# KiCad board A64-OlinuXino_Rev_C.kicad_pcb (continued)
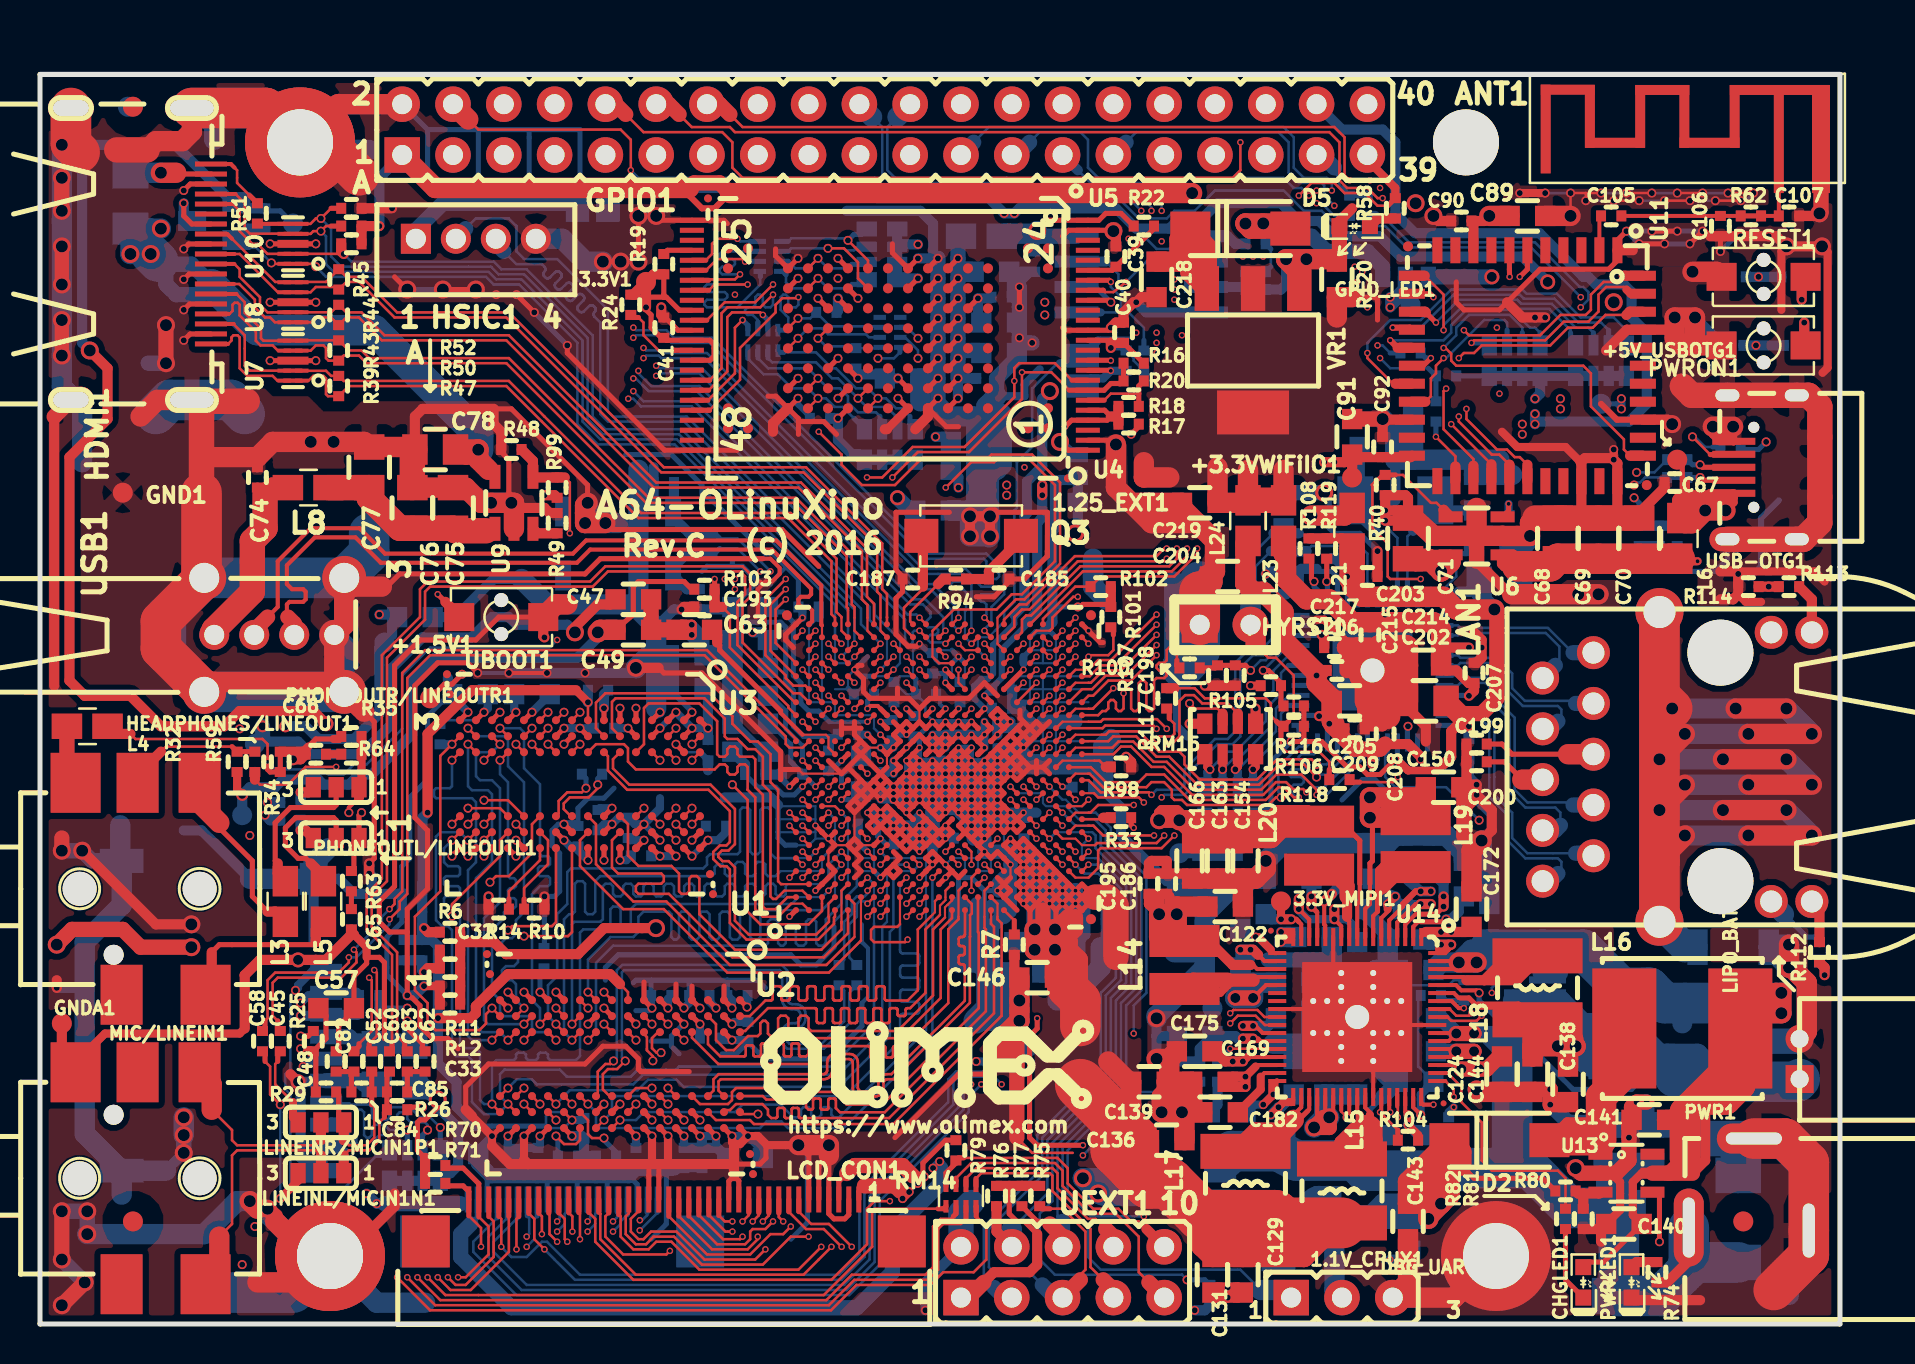
[diagram p0: board, top side]
## Routing (per net, layer and track width the routed paths; a pad name or vN(x,y) marks a point on that pad's centre or on a via; arc(x,y) is an arc through that point) (continued)
  Top w1.016: 60.78,33.96 60.78,34.72 PHYRST1.2
  Bottom w0.127: 62.94,39.55 63.07,39.55 63.45,39.17 65.74,39.17 66.37,38.53 66.37,37.01 ; 60.53,35.86 60.4,35.99 60.4,38.28 61.67,39.55
  Bottom w0.254: U15.42 66.37,37.01
  Bottom w0.508: 62.94,39.55 62.43,39.55 C211.2 61.93,39.8 61.67,39.55
  Bottom w1.016: 60.53,35.74 PHYRST1.2 60.53,35.86 60.53,35.74
Net-(C212-Pad2): length 7.7
  Bottom w0.127: 68.66,39.67 68.37,39.39 68.37,37.13
  Bottom w0.254: 68.37,37.11 68.37,37.13 U15.46
  Bottom w0.508: 68.66,39.67 69.77,40.78 Q4.1 70.27,40.69 71.7,40.69
Net-(C213-Pad2): length 9
  Bottom w0.127: 66.75,39.67 67.51,39.67 67.87,39.31 67.87,37.13
  Bottom w0.254: 67.87,37.16 U15.45
  Bottom w0.508: 66.75,39.67 65.77,40.66 Q4.2 65.99,41.42 C213.2
Net-(C218-Pad1): length 10.3
  Top w1.016: D5.1 57.61,54.7 D5.1 ; D5.1 58.34,53.84 VR1.3 ; D5.1 57.52,52.61 VR1.3 ; D5.1 56.97,54.24 56.97,53.14 C218.1 ; VR1.3 58.34,52.15
Net-(CHGLED1-Pad1): length 3.8
  Top w0.254: CHGLED1.1 76.28,2.21 R82.2
Net-(D2-Pad2): length 12.3
  Top w0.254: 78.05,9.19 78.02,9.19 U13.1
  Top w0.508: 78.05,10.08 76.36,10.08 D2.2
  Top w1.524: L16.2 79.22,12.52 78.05,11.35 78.05,9.19 D2.2
Net-(D4-Pad1): length 2.3
  Bottom w1.016: D4.1 64.72,1.7 DBG_UART1.2
Net-(D4-Pad2): length 47.5
  Top w0.127: U1.Y7 v4(50.47,24.28)
  In3.Cu w0.127: v4(67.51,3.23) 58.37,3.23 v2(57.35,2.21)
  Bottom w0.107: 50.8,24.6 52.62,24.6
  Bottom w0.127: 57.1,2.46 57.1,2.46 ; 57.1,2.46 v2(57.35,2.21) ; 57.1,2.46 50.75,2.46 49.99,3.23 49.99,5.51 50.62,6.15 50.62,9.07 53.8,12.24 53.8,16.18 54.56,16.94 54.56,22.02 52.78,23.8 52.78,24.44 52.62,24.6 ; v4(50.47,24.28) 50.8,24.6
  Bottom w0.254: v2(57.35,2.21) 58.24,2.21 R95.1
  Bottom w0.508: v4(67.51,3.23) 68.28,3.23 D4.2
Net-(DBG_UART1-Pad1): length 41.6
  Top w0.127: v4(48.53,26.88) U1.V10
  Bottom w0.107: 52.43,25.25 51.94,25.25 51.28,25.9 50.3,25.9 50.15,26.05 50.15,26.4 50,26.55 U1.V10
  Bottom w0.127: 52.43,25.25 52.73,25.25 53.29,24.69 53.29,24.05 55.07,22.28 55.07,16.69 54.31,15.93 54.31,11.99 51.13,8.81 51.13,6.15 52.4,4.88 52.4,3.35 53.03,2.72 60.02,2.72 61.04,1.7 ; v4(48.53,26.88) U1.V10
  Bottom w1.016: 61.04,1.7 62.18,1.7 DBG_UART1.1
Net-(FET1-Pad3): length 3.2
  Top w0.254: v2(7.19,56.06) 7.19,55.42 7.59,55.02 HDMI1.13
  Bottom w0.508: v2(7.19,56.06) 7.19,55.59 FET1.3
Net-(FUSE1-Pad2): length 4.1
  Top w0.254: 6.81,57.58 6.87,57.52 HDMI1.18
  Top w1.016: v3(6.05,57.58) 6.81,57.58
  Bottom w1.016: v3(6.05,57.58) 4.52,57.58 FUSE1.2
Net-(GPIO_LED1-Pad2): length 1.4
  Top w0.508: R58.2 66.88,55.3 GPIO_LED1.2
Net-(HDMI1-Pad19): length 3.5
  Top w0.127: 10.49,56.44 9.86,57.07 9.86,57.71 9.73,57.84
  Top w0.203: 9.73,57.84 9.55,58.02 HDMI1.19
  Top w0.254: R51.2 10.49,56.44
Net-(HEADPHONES/LINEOUT1-Pad1): length 9.2
  Top w0.254: 13.79,19.1 13.67,18.97 8.97,18.97 8.58,18.59
  Top w0.508: 13.79,19.23 13.79,19.1 13.79,19.74 L5.2 ; 8.58,18.59 8.58,16.77 HEADPHONES/LINEOUT1.1 ; 8.28,16.21 8.28,16.46
Net-(HEADPHONES/LINEOUT1-Pad2): length 3.5
  Top w0.508: 1.78,26.81 1.78,26.29
  Top w0.762: L4.2 1.35,27.5 HEADPHONES/LINEOUT1.2
Net-(HEADPHONES/LINEOUT1-Pad3): length 8.8
  Top w0.254: 8.97,25.07 8.97,24.82 10.62,23.17 10.62,21.39 11.38,20.62
  Top w0.508: 11.38,20.62 11.76,20.62 L3.2 12.14,20.12 ; 7.98,26.81 7.98,26.06
  Top w1.016: 7.98,26.06 8.97,25.07
Net-(HEADPHONES/LINEOUT1-Pad4): length 7.6
  Top w0.127: 9.6,28.88 6.3,28.88 6.05,28.63
  Top w0.254: 9.6,28.88 R32.1 R59.1
  Top w0.508: 4.88,27.46 6.05,28.63
  Top w0.762: HEADPHONES/LINEOUT1.4 4.88,27.46
  Top w1.016: 4.88,26.81 4.88,27.46
Net-(HSIC1-Pad1): length 9.1
  Bottom w0.762: HSIC_E1.2 26.75,56.06 20.14,56.06 18.79,54.71 HSIC1.1
Net-(HSIC1-Pad2): length 37.5
  Top w0.127: v4(42.68,32.72) U1.H19
  Bottom w0.107: 43,33.05 43,34.11 43,34.22
  Bottom w0.127: 43,34.22 41.73,35.48 41.73,35.99 32.33,45.39 28.65,45.39 28.4,45.64 28.4,50.72 25.86,53.26 24.21,53.26 23.83,53.65 23.83,54.91 23.44,55.3 21.79,55.3 21.28,54.79 ; v4(42.68,32.72) 43,33.05
  Bottom w0.762: 21.28,54.79 20.79,54.3 HSIC1.2
Net-(HSIC1-Pad3): length 37.5
  Top w0.127: v4(42.03,32.72) U1.G19
  Bottom w0.107: 42.35,33.05 42.35,34.34
  Bottom w0.127: 23.19,53.65 23.83,53.01 25.09,53.01 25.22,52.88 25.25,52.85 25.26,52.82 25.27,52.78 25.27,52.74 25.26,52.7 25.25,52.67 25.2,52.6 25.18,52.57 25.17,52.53 25.17,52.49 25.18,52.45 25.2,52.42 25.22,52.39 25.26,52.35 25.29,52.33 25.32,52.31 25.36,52.3 25.4,52.3 25.44,52.31 25.47,52.33 25.5,52.35 25.75,52.6 25.78,52.62 25.82,52.64 25.86,52.65 25.9,52.65 25.93,52.64 25.97,52.62 26,52.6 26.04,52.56 26.06,52.53 26.08,52.5 26.09,52.46 26.09,52.42 26.08,52.38 26.06,52.35 26.04,52.32 25.79,52.07 25.76,52.04 25.75,52 25.74,51.97 25.74,51.93 25.75,51.89 25.76,51.85 25.79,51.82 25.82,51.79 25.85,51.76 25.89,51.75 25.93,51.74 25.97,51.74 26,51.75 26.04,51.76 26.07,51.79 26.32,52.03 26.35,52.06 26.38,52.08 26.42,52.08 26.46,52.08 26.5,52.08 26.53,52.06 26.57,52.03 26.6,52 26.63,51.97 26.64,51.93 26.65,51.89 26.65,51.86 26.64,51.82 26.63,51.78 26.6,51.75 26.35,51.5 26.33,51.47 26.31,51.44 26.3,51.4 26.3,51.36 26.31,51.32 26.33,51.29 26.35,51.26 26.39,51.22 26.42,51.2 26.45,51.18 26.49,51.17 26.53,51.17 26.57,51.18 26.61,51.2 26.64,51.22 26.88,51.47 26.91,51.49 26.95,51.51 26.99,51.52 27.03,51.52 27.07,51.51 27.1,51.49 27.13,51.47 27.17,51.43 27.19,51.4 27.21,51.37 27.22,51.33 27.22,51.29 27.21,51.25 27.19,51.22 27.17,51.19 26.92,50.94 26.89,50.91 26.88,50.87 26.87,50.83 26.87,50.8 26.88,50.76 26.89,50.72 26.92,50.69 26.95,50.66 26.99,50.63 27.02,50.61 27.06,50.61 27.1,50.61 27.14,50.61 27.17,50.63 27.2,50.66 27.45,50.9 27.48,50.93 27.52,50.94 27.55,50.95 27.59,50.95 27.63,50.94 27.67,50.93 27.7,50.9 27.73,50.87 27.76,50.84 27.77,50.8 27.78,50.76 27.78,50.72 27.77,50.69 27.76,50.65 27.71,50.59 27.69,50.55 27.68,50.52 27.68,50.48 27.69,50.44 27.71,50.4 27.73,50.37 28.02,50.09 28.02,45.52 28.4,45.14 32.21,45.14 41.48,35.86 41.48,35.21 42.35,34.34 ; v4(42.03,32.72) 42.35,33.05
  Bottom w0.762: 23.19,53.65 22.79,54.04 HSIC1.3
Net-(L3-Pad1): length 7.7
  Top w0.203: L3.1 12.27,22.4
  Top w0.254: 11.89,23.04 11.76,23.17 11.76,25.07 12.52,25.83 14.68,25.83 14.81,25.96 PHONEOUTR/LINEOUTR1.2
  Top w0.508: 11.89,23.04 11.89,22.53 L3.1
Net-(L5-Pad1): length 7.7
  Top w0.203: L5.1 14.43,22.4
  Top w0.254: 13.54,23.04 13.28,23.29 12.9,23.29 12.27,23.93 12.27,24.82 12.78,25.32 14.68,25.32 14.81,25.2 PHONEOUTL/LINEOUTL1.2
  Top w0.508: 13.54,23.04 14.17,22.4 L5.1
Net-(L14-Pad1): length 7.5
  Top w0.203: 60.66,17.2 60.81,17.35 U14.21
  Top w0.406: L14.1 57.42,16.56 59,16.56 59.38,16.94 59.38,17.2
  Top w0.66: 60.66,17.2 59.38,17.2
  Top w0.762: L14.1 57.66,17.2 59.38,17.2
Net-(L15-Pad1): length 8.2
  Top w0.203: 66.5,10.47 66.5,10.59 66.26,10.83 U14.44 ; 65.99,10.47 65.86,10.59 U14.43
  Top w0.406: 66.5,10.47 66.5,9.83 66.37,9.7 65.99,10.08 65.99,10.47
  Top w0.762: 66.37,9.7 65.74,9.7 65.1,9.07 L15.1
  Top w1.524: 66.37,9.7 66.37,9.19 65.43,8.25 L15.1
Net-(L17-Pad1): length 8.7
  Top w0.203: 63.39,10.66 63.46,10.73 U14.37 ; U14.36 63.06,10.84 62.69,10.47 62.69,10.21 62.81,10.34
  Top w0.254: 63.39,10.66 63.07,10.34 62.81,10.34
  Top w0.762: 62.18,9.7 60.78,9.7 60.27,9.19 L17.1
  Top w1.016: 62.69,10.21 61.11,8.64 L17.1
Net-(L18-Pad2): length 8.8
  Top w0.203: 71.32,17.2 71.16,17.35 U14.65
  Top w0.508: 71.32,17.2 72.21,17.2 ; 72.21,17.2 72.59,17.2 72.72,17.32 ; 72.21,17.2 73.43,18.42 74.88,18.42
  Top w0.762: 72.72,17.32 73.79,17.32 74.88,18.42
Net-(L19-Pad1): length 8.8
  Top w0.203: 66.88,20.62 66.66,20.41 U14.7
  Top w0.254: 66.88,20.62 66.88,21.39 ; 66.88,21.39 66.88,21.64 67.13,21.89 ; 66.88,21.39 66.88,21.89 67.13,21.89 ; 66.88,21.39 67.13,21.64 67.13,21.89
  Top w0.508: L19.1 67.2,22.85 67,22.66 67,22.02 67.13,21.89
  Top w0.762: 67.13,21.89 68.09,22.85 L19.1
Net-(L20-Pad1): length 4.3
  Top w0.203: 65.35,20.37 65.35,20.24 65.46,20.14 U14.10
  Top w0.508: 65.35,20.37 65.35,21.39
  Top w0.762: L20.1 64.52,22.73 65.35,21.89 65.35,21.39
Net-(LINEINL/MICIN1N1-Pad2): length 13.8
  Top w0.127: 8.97,4.37 9.6,5 9.6,8.43 9.86,8.69 13.79,8.69 14.05,8.43
  Top w0.254: LINEINL/MICIN1N1.2 14.05,7.8
  Top w0.508: LINEINL/MICIN1N1.2 14.05,8.43
  Top w1.016: 8.97,4.37 8.97,2.67 MIC/LINEIN1.1 7.57,2.7
Net-(LINEINR/MICIN1P1-Pad2): length 10.2
  Top w0.127: 8.58,10.72 9.6,9.7 9.6,9.19 9.86,8.94 13.79,8.94 14.05,9.19
  Top w0.508: LINEINR/MICIN1P1.2 14.05,9.19
  Top w0.762: MIC/LINEIN1.3 7.98,12.02
  Top w1.016: 8.58,10.72 8.58,11.99 MIC/LINEIN1.3
Net-(MICRO_SD1-Pad5): length 62.6
  Top w0.254: R33.1 54.56,24.94 v4(54.69,24.82)
  In3.Cu w0.127: v4(54.69,24.82) 54.43,24.56 54.43,18.42 48.63,12.62 45.8,12.62 44.15,10.97 43.38,10.97 39.7,7.29 34.24,7.29 33.22,6.27 20.52,6.27 20.27,6.53 20.27,6.72 20.45,6.9 20.45,7.09 20.25,7.29 20.06,7.29 19.51,6.74 19.31,6.74 19.12,6.93 19.12,7.13 19.67,7.68 19.67,7.87 19.47,8.07 19.28,8.07 18.73,7.52 18.54,7.52 18.34,7.71 18.34,7.91 18.52,8.08 18.52,8.28 17.73,9.07 13.92,9.07 13.54,9.45 13.54,12.5 v2(13.16,12.88)
  Bottom w0.406: v2(13.16,12.88) 13.41,13.13 14.17,13.13 MICRO_SD1.5
Net-(NAND_E1-Pad2): length 3.6
  Top w0.254: v4(53.54,47.68) 53.51,47.7 U4.9
  Bottom w0.406: R15.1 v4(53.54,47.68) 53.16,47.3 52.53,47.3 NAND_E1.2
Net-(PWRLED1-Pad2): length 1.4
  Top w0.508: 80.85,3.1 79.83,3.1 PWRLED1.2
Net-(PWRON1-Pad1): length 2.3
  Top w0.508: v2(88.21,50.09) 88.21,49.01 PWRON1.1
  Bottom w0.508: v2(88.21,50.09) R91.1
Net-(R3-Pad2): length 4.5
  Top w0.127: v4(41.38,21.03) U1.G2
  Bottom w0.127: R3.2 40.46,18.34 40.46,19.99 40.84,20.37 40.84,21.01 40.97,21.13 41.27,21.13 v4(41.38,21.03)
Net-(R4-Pad2): length 5
  Top w0.127: v4(41.38,21.67) U1.G3
  Bottom w0.127: v4(41.38,21.67) 41.38,21.54 41.22,21.39 40.84,21.39 40.59,21.13 40.59,20.5 40.21,20.12 40.21,18.21 R4.2
Net-(R7-Pad2): length 1.4
  Top w0.127: U1.U1 48.72,20.18
  Top w0.254: 48.72,20.18 R7.2
Net-(R9-Pad1): length 3.3
  Top w0.127: v2(28.2,9.3) 27.6,9.3 27.4,9.5 27.4,10.2 U2.L8
  Bottom w0.254: v2(28.2,9.3) 28.2,9.2 28.81,8.59 R9.1
Net-(R10-Pad1): length 4.5
  Top w0.127: 24.21,21.26 24.21,21.81 25.4,23 25.4,24.2 U3.L8
  Top w0.254: 24.21,21.26 R10.1
Net-(R13-Pad1): length 3.1
  Top w0.127: v2(25.8,9.4) 26.2,9 26.8,9 27,9.2 U2.L9
  Bottom w0.254: R13.1 25.89,9.31 v2(25.8,9.4)
Net-(R14-Pad1): length 3.7
  Top w0.127: 23.44,21.26 23.44,21.64 25,23.2 U3.L9
  Top w0.254: 23.44,21.26 R14.1
Net-(R18-Pad1): length 4.1
  Top w0.127: 54.94,46.53 53.54,46.53 53.21,46.2
  Top w0.254: R20.2 54.94,46.91 R18.1 ; U4.6 53.21,46.2
Net-(R19-Pad1): length 1.5
  Top w0.254: R19.1 31.38,53.7 U4.28
Net-(R21-Pad1): length 5.2
  Top w0.127: U5.P5 v2(37.9,50.3)
  Bottom w0.127: RM5.2.2 41.94,49.9 39.51,49.9 38.81,50.6 38.51,50.3 v2(37.9,50.3)
Net-(R23-Pad1): length 4
  Top w0.127: U5.M5 v2(38.9,49.3)
  Bottom w0.127: v2(38.9,49.3) 39.3,48.9 40.71,48.9 R23.1 41.95,48.81 RM5.4.2
Net-(R24-Pad2): length 4.2
  Top w0.127: 29.92,50.34 30.18,50.09 30.18,49.45 30.93,48.7 31.7,48.7
  Top w0.254: 31.69,48.7 U4.38 ; 29.92,50.34 29.67,50.34 R24.2
Net-(R41-Pad2): length 1.4
  Top w0.254: v4(73.43,41.02) 73.43,40.67 U6.3
  Bottom w0.406: v4(73.43,41.02) 73.43,40.49 R41.2
Net-(R49-Pad2): length 1.3
  Top w0.508: R49.2 24.87,39.55 U9.3
Net-(R54-Pad1): length 1.7
  Top w0.254: v4(69.54,48.31) 69.16,47.93 U11.17
  Bottom w0.254: v4(69.54,48.31) 69.29,48.31 R54.1
Net-(R55-Pad1): length 2.9
  Bottom w0.508: U12.3 60.15,51.87 R55.1 R56.1
Net-(R57-Pad1): length 6.7
  Bottom w0.127: 55.19,49.2 55.19,49.84 54.31,50.72 54.31,51.49 53.92,51.87 53.92,52.5 53.29,53.14
  Bottom w0.254: 55.19,49.2 R57.1
  Bottom w0.508: U12.7 53.29,53.14
Net-(R60-Pad1): length 3.4
  Top w0.127: v4(69.8,44.37) 70.77,43.4 70.77,42.89
  Top w0.508: U11.24 70.77,42.89
  Bottom w0.254: R60.1 v4(69.8,44.37)
Net-(R79-Pad2): length 14.2
  Top w0.127: 55.32,4.75 54.94,5.13 54.56,5.13 53.92,5.77 52.65,5.77 51.38,7.04 51.38,7.8 50.88,8.31 46.18,8.31
  Top w0.254: 46.18,8.31 45.92,8.31 R79.2 45.8,8.05 45.3,7.56 RM14.4.1
  Top w0.508: 55.32,4.75 UEXT1.10
Net-(R80-Pad2): length 2.1
  Top w0.508: 77.16,6.53 77.96,6.53 U13.3 ; 77.16,6.53 R81.1 ; 77.16,6.53 76.91,6.53 R80.2
Net-(R82-Pad1): length 11.7
  Top w0.127: 70.38,12.55 71.07,11.86 71.07,11.1 72.09,10.08 72.09,8.18 72.59,7.67 75.9,7.67 76.28,7.29 R82.1
  Top w0.203: U14.53 70.38,12.55
Net-(R83-Pad1): length 3.3
  Top w0.127: v4(59.51,13.77) 61.15,13.77 61.16,13.75
  Top w0.203: 61.18,13.75 61.16,13.75 U14.30
  Bottom w0.254: R83.1 v4(59.51,13.77)
Net-(R86-Pad1): length 45.6
  Top w0.127: U14.26 61.23,15.35 60.87,15.71 59.68,15.71 v4(59.51,15.55)
  In2.Cu w0.127: 67.26,24.94 67.26,24.94 ; 67.26,24.94 65.61,23.29 65.61,20.24 65.1,19.74 63.45,19.74 61.29,17.58 61.29,15.93 61.04,15.67 59.64,15.67 v4(59.51,15.55) ; 67.26,24.94 67.26,26.59 67.08,26.77 67.08,29.97 67.89,30.78 67.89,36.12 68.4,36.63 68.4,37.77 69.93,39.29 71.58,39.29 72.85,40.56 73.74,40.56 75.51,42.34 79.45,42.34 79.71,42.6 v2(79.83,42.6)
  Bottom w0.127: v2(79.83,42.6) 80.72,42.6 R86.1
Net-(R87-Pad1): length 45.7
  Top w0.127: v4(59.51,15.04) 59.89,15.42 60.78,15.42 61.25,14.95 U14.27
  In2.Cu w0.127: v4(59.51,15.04) 59.89,15.42 61.16,15.42 61.54,15.8 61.54,17.45 63.58,19.48 65.23,19.48 65.86,20.12 65.86,23.17 67.51,24.82 67.51,26.72 67.34,26.9 67.34,29.85 68.15,30.66 68.15,35.99 68.66,36.5 68.66,37.64 70.05,39.04 71.7,39.04 72.97,40.31 73.86,40.31 75.64,42.09 79.45,42.09 79.58,41.96 v2(79.71,41.96)
  Bottom w0.127: R87.1 80.26,42.34 80,42.09 79.83,42.09 v2(79.71,41.96)
Net-(R89-Pad1): length 2.4
  Top w0.508: v2(88.09,51.23) 88.09,52.18 RESET1.1
  Bottom w0.508: v2(88.09,51.23) R89.1
Net-(R94-Pad1): length 3.1
  Top w0.127: 44.91,37.01 43.51,35.61 43.51,35.14 U1.K23
  Top w0.508: 44.91,37.01 45.16,37.26 R94.1
Net-(R96-Pad1): length 14.5
  Top w0.127: U1.H14 v4(42.03,29.47)
  Bottom w0.107: 39.1,31.1 38.57,31.1 38.45,31.22 38.45,34.87 38.94,35.36 38.94,35.26 39.1,35.1 39.1,31.1 ; 39.1,31.1 39.62,31.1 39.75,30.97 39.75,30.58 39.88,30.45 41.57,30.45 41.7,30.33 41.7,29.8
  Bottom w0.127: v4(42.03,29.47) 41.7,29.8
  Bottom w0.508: 38.94,35.36 R96.1
Net-(R97-Pad1): length 1
  Top w0.127: v4(51.12,26.88) U1.AA11
  Bottom w0.254: R97.1 51.15,26.85 v4(51.12,26.88)
Net-(R98-Pad1): length 3
  Top w0.107: 51.12,28.17 52.72,28.17
  Top w0.127: 53.29,27.86 52.98,28.17 52.72,28.17 ; U1.AA12 51.12,28.17
  Top w0.508: 53.54,27.86 53.29,27.86
Net-(R105-Pad2): length 4.7
  Top w0.254: R106.2 62.05,31.04 R105.2 62.05,32.06 61.42,32.69 v2(61.16,32.69)
  Bottom w0.127: 62.54,33.94 62.41,33.94 v2(61.16,32.69)
  Bottom w0.254: U15.33 62.54,33.94
Net-(R109-Pad2): length 5.3
  Bottom w0.127: R110.2 65.1,38.91 63.58,38.91 63.32,38.66
  Bottom w0.254: R110.2 65.87,38.14 U15.41
  Bottom w0.508: 63.19,38.66 63.32,38.66 R109.2
Net-(R111-Pad2): length 35.9
  Top w0.508: v2(89.23,17.45) 89.23,17.83 88.98,18.08
  In3.Cu w0.127: v2(71.96,25.2) 71.2,24.44 71.2,23.17 71.45,22.91 71.45,20.62 73.35,18.72 76.66,18.72 78.05,17.32 83.77,17.32 85.67,19.23 86.06,19.23 86.56,19.74 88.59,19.74 89.23,19.1 v2(89.23,17.45)
  Bottom w0.127: v2(71.96,25.2) 70.31,26.85 67.77,26.85 67.26,27.36 67.26,28.5
  Bottom w0.203: 67.26,28.5 67.37,28.61 U15.17
  Bottom w0.508: v2(89.23,17.45) 89.23,17.83 88.98,18.08
Net-(R113-Pad2): length 33.3
  Top w0.508: R113.2 v2(86.44,36.88) R114.2
  In2.Cu w0.127: v2(68.4,29.9) 68.66,30.15 68.66,35.74 69.42,36.5 69.42,38.02 70.05,38.66 74.75,38.66 76.4,40.31 80.21,40.31 81.36,41.45 84.53,41.45 84.66,41.58 86.06,41.58 86.31,41.33 86.31,37.01 v2(86.44,36.88)
  Bottom w0.254: v2(68.4,29.9) 68.37,29.87 U15.15
Net-(R115-Pad1): length 4.1
  Bottom w0.127: 69.54,36.75 70.18,36.75 70.81,37.39 70.81,38.28 71.07,38.53
  Bottom w0.254: 69.54,36.75 69.37,36.58 U15.48 ; 71.07,38.53 71.32,38.53 R115.1
Net-(R119-Pad1): length 2
  Top w0.254: v2(64.34,37.13) R119.1
  Bottom w0.254: v2(64.34,37.13) 64.37,37.1 U15.38
Net-(RM1-Pad1.2): length 6.5
  Top w0.127: v2(40.4,54.2) 41.4,53.2 U5.K2
  Bottom w0.127: 37.41,54.15 37.56,54.3 40.3,54.3 v2(40.4,54.2)
  Bottom w0.254: v2(40.4,54.2) 40.7,54.5 41.07,54.5 RM1.1.2 ; RM2.4.2 37.41,54.15
Net-(RM1-Pad2.2): length 7.8
  Top w0.127: v2(39.4,53.8) 40.2,53.8 40.9,53.1 40.9,52.3 U5.K3
  Bottom w0.127: 40.8,53.8 40.7,53.7 40.3,53.7 40.2,53.8 v2(39.4,53.8) 37.55,53.8 37.4,53.65
  Bottom w0.254: 37.42,53.65 RM2.3.2 ; 40.8,53.8 41.26,53.8 RM1.2.2
Net-(RM1-Pad3.2): length 5.7
  Top w0.127: U5.N2 v2(38.9,53.3)
  Bottom w0.127: 40.4,52.8 39.4,52.8 v2(38.9,53.3) U5.N2 37.76,52.8 37.41,53.15
  Bottom w0.254: 37.4,53.15 37.41,53.15 RM2.2.2 ; 40.4,52.8 40.6,53 41.22,53 RM1.3.2
Net-(RM1-Pad4.2): length 6.2
  Top w0.127: U5.N3 v2(38.9,52.3)
  Bottom w0.127: 37.3,52.49 37.3,52.1 37.6,51.8 U5.N3 v2(38.9,52.3) 39.4,51.8 40.4,51.8 40.6,52
  Bottom w0.254: 37.29,52.5 37.3,52.49 37.14,52.65 RM2.1.2 ; 40.6,52 41.11,52 RM1.4.2
Net-(RM3-Pad1.2): length 8.4
  Top w0.127: U5.N9 v2(38.9,46.3)
  Bottom w0.127: 35.39,48.29 36.19,47.5 36.9,47.5 37.6,46.8 38.4,46.8 v2(38.9,46.3) 39.3,46.3 39.73,45.87 40.13,45.87 40.7,45.3
  Bottom w0.254: 40.7,45.3 41.22,44.78 RM4.4.2 ; RM3.1.2 35.39,48.29
Net-(RM3-Pad2.2): length 9.3
  Top w0.127: U5.N8 v2(38.9,47.3)
  Bottom w0.127: 35.89,48.31 36.4,47.8 38.4,47.8 v2(38.9,47.3) 39.4,46.8 40,46.8 40.4,46.4 40.4,46.1 40.9,45.6 41.8,45.6 42,45.4
  Bottom w0.254: 42,45.4 42,44.87 RM4.3.2 ; RM3.2.2 35.89,48.31
Net-(RM3-Pad3.2): length 9.4
  Top w0.127: U5.K8 v2(40.9,46.3)
  Bottom w0.127: 36.39,48.31 36.6,48.1 38.8,48.1 39.6,47.3 39.9,47.3 v2(40.9,46.3) 41.33,45.87 42.33,45.87 42.8,45.4
  Bottom w0.254: 42.8,45.4 42.8,44.83 RM4.2.2 ; RM3.3.2 36.39,48.31
Net-(RM3-Pad4.2): length 9.4
  Top w0.127: U5.K9 v2(41.9,46.3)
  Bottom w0.127: 37.2,48.6 38.8,48.6 39.6,47.8 39.8,47.8 40.8,46.8 41.4,46.8 v2(41.9,46.3) 42.3,46.3 42.8,45.8 43.1,45.8 43.5,45.4
  Bottom w0.254: 43.5,45.4 43.5,45.02 RM4.1.2 ; 37.2,48.6 36.98,48.6 RM3.4.2
Net-(RM5-Pad3.2): length 5.2
  Top w0.127: U5.P6 v2(37.9,49.3)
  Bottom w0.127: v2(37.9,49.3) 38.4,49.8 39.1,49.8 39.4,49.5 41.3,49.5 41.45,49.35 RM5.3.2
Net-(RM14-Pad1.1): length 11.7
  Top w0.127: 53.16,2.21 52.53,2.84 52.53,4.75 50.62,6.66 50.62,7.42 50.5,7.54 47.07,7.54 46.8,7.28
  Top w0.254: RM14.1.1 46.8,7.28
  Top w0.762: 53.16,2.21 53.67,1.7 UEXT1.7
Net-(RM14-Pad2.1): length 10.3
  Top w0.127: 46.3,7.29 46.81,7.8 50.62,7.8 50.88,7.54 50.88,6.78 52.4,5.26 52.78,5.26 53.29,4.75
  Top w0.254: RM14.2.1 46.3,7.29
  Top w0.762: 53.29,4.75 53.67,4.37 UEXT1.8
Net-(RM14-Pad3.1): length 15.4
  Top w0.127: 45.8,7.29 46.56,8.05 50.75,8.05 51.13,7.67 51.13,6.91 52.53,5.51 53.8,5.51 54.94,4.37 54.94,2.59 55.45,2.08
  Top w0.254: RM14.3.1 45.8,7.17 45.8,7.17 45.8,7.29
  Top w0.762: 55.45,2.08 UEXT1.9
Net-(RM15-Pad1.1): length 10
  Top w0.406: v2(58.5,27.74) 58.37,27.86 58.37,28.37 RM15.1.1
  Bottom w0.127: v2(58.5,27.74) 59.38,28.63 59.77,28.63 61.29,30.15 61.29,31.29 61.67,31.67 61.67,32.68 62.43,33.44
  Bottom w0.254: 62.42,33.44 U15.32
  Bottom w0.406: v2(58.5,27.74) 58.37,27.61 58.37,26.97 RM8.1.1
Net-(RM15-Pad2.1): length 9
  Top w0.406: RM15.2.1 v2(59.13,27.74)
  Bottom w0.127: 62.43,32.94 62.05,32.56 62.05,31.55 61.54,31.04 61.54,29.9 59.89,28.25 59.64,28.25 v2(59.13,27.74)
  Bottom w0.254: 62.43,32.94 U15.31
  Bottom w0.406: RM8.2.1 v2(59.13,27.74)
Net-(RM15-Pad3.1): length 7.2
  Top w0.406: RM15.3.1 59.89,27.86 v2(59.77,27.74)
  Bottom w0.127: 62.45,31.44 61.8,30.78 61.8,29.64 59.89,27.74 v2(59.77,27.74)
  Bottom w0.254: 62.45,31.44 U15.28
  Bottom w0.406: v2(59.77,27.74) 59.89,27.61 RM8.3.1
Net-(RM15-Pad4.1): length 6.3
  Top w0.406: RM15.4.1 60.78,27.86 v2(60.66,27.74)
  Bottom w0.127: v2(60.66,27.74) 60.66,27.99 62.05,29.39 62.05,30.53 62.46,30.94
  Bottom w0.254: 62.46,30.94 U15.27
  Bottom w0.406: v2(60.66,27.74) 60.66,26.97 RM8.4.1
Net-(T1-Pad3): length 10.7
  Top w0.127: 70.27,12.15 70.69,11.73 v4(70.69,11.35)
  Top w0.203: U14.52 70.27,12.15
  In3.Cu w0.127: v4(70.69,11.35) 71.07,10.97 72.47,10.97 72.97,11.48 72.97,16.18 v4(72.59,16.56)
  Bottom w0.127: 72.99,17.21 72.59,16.81 v4(72.59,16.56)
  Bottom w0.356: 72.99,17.21 T1.3

## Copper pours and planes (outline as drawn; the poured copper is in the pictures)
1.1V_CPUX on Top: 51.13,18.47 49.61,18.21 49.61,9.32 49.73,9.19 51.89,9.19 51.89,7.92 54.69,5 56.34,5 57.48,3.86 57.48,2.84 63.83,2.84 63.83,5.89 62.94,6.78 58.88,6.78 55.7,8.18 55.07,9.83 55.07,23.8 54.94,23.8 54.94,24.56 52.65,24.56 52.65,22.28 51.13,22.28
1.1V_CPUX on In4.Cu: 48.84,14.78 52.02,14.78 52.02,22.02 51.38,22.02 49.1,24.31 47.45,24.31 47.45,23.8 48.84,22.4
1.1V_SYS on In4.Cu: 57.23,24.56 54.69,24.56 52.27,27.1 49.35,27.1 48.08,28.37 43.26,28.37 41.86,26.47 37.67,26.47 37.29,26.85 37.29,31.29 44.15,31.29 44.15,30.02 46.81,30.02 46.94,30.15 47.7,30.15 47.7,29.26 48.29,29.24 49.61,30.53 51.89,30.56 53.29,31.93 53.29,35.99 58.37,35.99 58.37,25.7
+1.5V on In4.Cu: 37.16,28.75 37.16,26.72 37.54,26.34 41.35,26.34 41.73,25.96 45.03,25.96 45.03,25.32 45.67,25.32 48.59,22.4 48.59,15.67 48.34,15.42 48.34,14.66 52.15,14.66 52.15,22.02 52.65,22.02 54.56,23.93 54.56,24.44 57.23,24.44 58.5,25.7 58.5,27.1 66.62,27.1 67.13,26.59 67.13,24.31 66.37,23.55 61.16,23.55 58.75,21.13 55.57,21.13 55.57,12.62 54.05,11.1 42.49,11.1 40.84,9.45 36.53,9.45 36.53,7.54 21.28,7.54 21.28,10.08 19.51,11.86 19.51,15.04 18.49,16.05 18.49,32.06 19.38,32.94 23.32,32.94 24.71,34.34 31.57,34.34
+3V3 on In4.Cu: 95.58,-4.14 -6.02,-4.14 -6.02,66.98 95.58,66.98
+3V3 on In4.Cu: 36.5,35.97 36.53,31.42 44.27,31.42 44.3,30.12 46.25,30.12 46.4,30.28 47.83,30.28 47.83,29.52 48.34,29.52 49.61,30.78 51.79,30.76 53.16,32.08 53.16,35.99 36.78,35.99
GND on Top: 105.99,-14.3 -15.93,-14.3 -15.93,77.14 105.99,77.14
GND on Top: 74.85,56.77 89.8,56.77 89.8,52.88 74.85,52.88
GND on Top: 52.91,19.74 37.16,19.74 37.29,34.09 35,34.09 35.13,38.15 37.92,38.15 37.92,35.48 52.91,35.48
GND on Bottom: 93.04,-1.6 -3.48,-1.6 -3.48,64.44 93.04,64.44
GND on Bottom: 53.57,19.82 37.06,19.82 37.16,36.5 53.67,36.5
GND on In1.Cu: 103.2,-11.76 -13.64,-11.76 -13.64,74.6 103.2,74.6
GND on In2.Cu: -11.1,72.06 -11.1,-9.22 100.66,-9.22 100.66,72.06
GND on In3.Cu: 98.12,-6.68 -8.56,-6.68 -8.56,69.52 98.12,69.52
GND on In4.Cu: 43.26,28.25 48.08,28.25 48.72,27.48 48.72,27.1 48.97,26.85 52.27,26.85 54.43,24.69 54.43,23.93 52.65,22.15 51.51,22.15 49.22,24.44 46.69,24.44 45.67,25.45 45.16,25.45 45.16,26.09 41.73,26.09
/USB&HDMI,WiFi&BT,Ethernet,LCD/1.25_EXT on Top: 67.51,57.27 57.35,57.2 57.35,50.6 54.56,50.6 54.69,41.96 56.46,40.18 64.72,40.18 64.72,46.02 67.51,46.02
IPS on In4.Cu: 60.02,19.1 59.26,18.34 59.26,12.12 62.18,9.19 69.29,9.19 71.07,10.97 71.07,11.99 72.21,13.13 72.21,17.2 72.47,17.45 72.47,18.34 71.96,18.85 70.31,18.85 70.05,19.1 70.05,21.89 67.51,21.89 67.13,21.51 62.94,21.51 62.69,21.01 60.78,19.1
Net-(C196-Pad2) on Top: 80.97,35.61 89.61,35.61 89.61,20.12 80.97,20.12
Net-(C196-Pad2) on Bottom: 80.97,35.61 89.61,35.61 89.61,20.12 80.97,20.12
Net-(C196-Pad2) on In1.Cu: 80.97,35.61 89.61,35.61 89.61,20.12 80.97,20.12
Net-(C196-Pad2) on In2.Cu: 80.97,35.61 89.61,35.61 89.61,20.12 80.97,20.12
Net-(C196-Pad2) on In3.Cu: 80.97,35.61 89.61,35.61 89.61,20.12 80.97,20.12
Net-(C196-Pad2) on In4.Cu: 80.97,35.61 89.61,35.61 89.61,20.12 80.97,20.12

## Text on the board
B.SilkS: 1 | 20 | 3 | 5V_ONLY
Top: Da se iztriqt strelkite na LED-ovete!
F.SilkS: 3 | 1 | https://www.olimex.com | 2 | A | 4 | Rev.C | (c) 2016 | 10 | 40 | 39 | A64-OLinuXino
